# Altium PCB TEBF0808.PcbDoc (part 4 of 11) (continued)
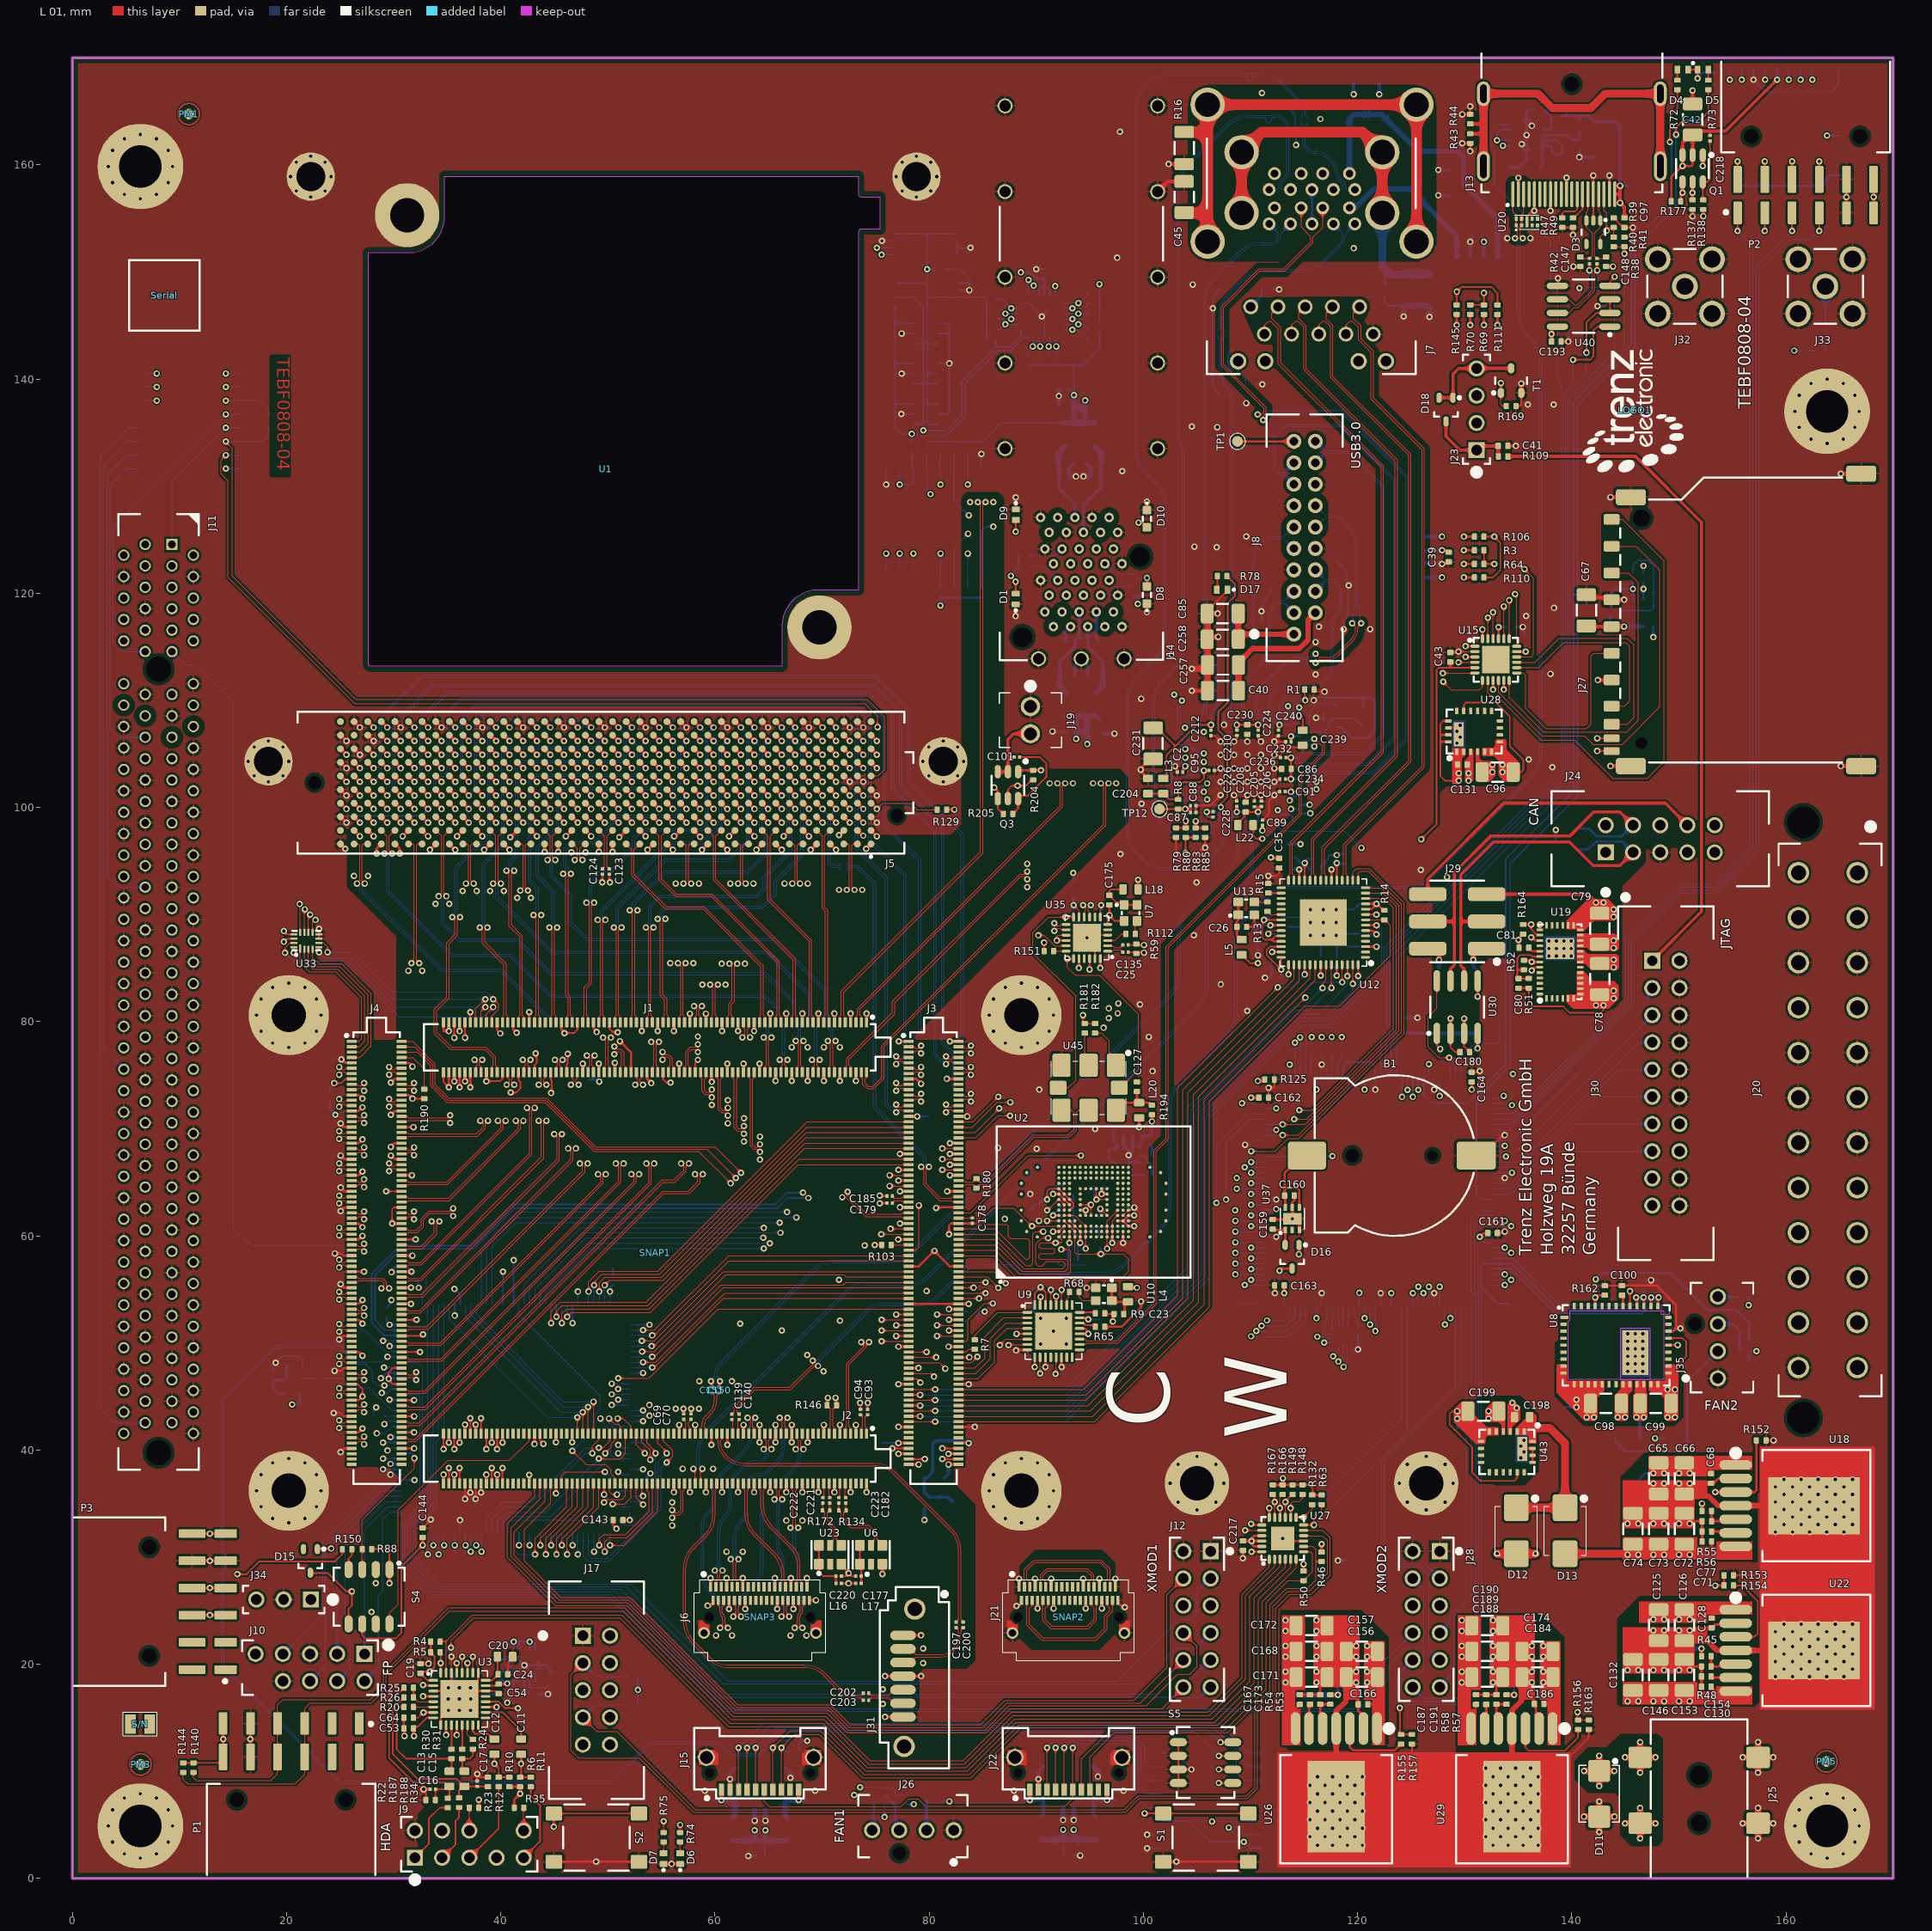
[diagram p0: L 01 view]
## Nets (pads, with @x,y where several pads share a name; then routed paths per layer and width w, separated by ;. In a path a pad name is that pad's centre, name@x,y a point inside that pad or via, vN(x,y) a via of type N, cw(c..) or ccw(c..) an arc to the next point about the centre after c; other vN are vias at no path point) (continued)
B64_L20_N: J4.48 J5.E22 | length 53.5
  L 01 w0.1: v1(29.578,66.763) 29.828,66.513 30.085,66.513 30.225,66.653 J4.48@30.74,66.653
  L 01 w0.2: J5.E22@47.896,101.665 v1(48.445,101.116)
  L 12 S w0.08: v1(29.578,66.763) 29.838,66.503 32.803,66.503 34.25,67.95 34.25,88.85 33,90.1 33,92.033 35.117,94.15 37.4,94.15 40.1,96.85 40.1,97.511 40.725,98.136 41.008,98.136 41.265,98.393 41.265,98.698 41.867,99.3 48.75,99.3 48.98,99.53 48.98,100.581 v1(48.445,101.116)
B64_L20_P: J4.50 J5.E21 | length 53.9
  L 01 w0.1: v1(29.578,66.043) 29.828,66.293 30.085,66.293 30.225,66.153 J4.50@30.74,66.153
  L 01 w0.2: J5.E21@49.166,101.665 v1(49.715,101.116)
  L 12 S w0.08: v1(29.578,66.043) 29.838,66.303 32.886,66.303 34.45,67.867 34.45,87.2 34.45,88.933 33.2,90.183 33.2,91.95 35.2,93.95 37.483,93.95 37.783,94.25 40.3,96.767 40.3,97.428 40.808,97.936 41.091,97.936 41.465,98.31 41.465,98.615 41.95,99.1 48.833,99.1 49.18,99.448 49.18,100.581 v1(49.715,101.116)
B64_L21_N: J4.44 J5.E24 | length 46.6
  L 01 w0.1: J4.44@30.74,67.653 31.255,67.653 31.395,67.793 31.652,67.793 v1(31.902,67.543)
  L 01 w0.2: J5.E24@45.356,101.665 v1(45.905,101.116)
  L 12 S w0.08: v1(31.902,67.543) 32.162,67.803 32.583,67.803 33.75,68.97 33.75,87.35 32.5,88.6 32.5,92.3 35.275,95.075 36.15,95.075 37.675,96.6 38.583,96.6 40.3,98.317 40.3,99.942 40.758,100.4 45.103,100.4 45.37,100.667 45.37,101 45.486,101.116 v1(45.905,101.116)
B64_L21_P: J4.42 J5.E25 | length 46.3
  L 01 w0.1: J4.42@30.74,68.153 31.255,68.153 31.395,68.013 31.652,68.013 v1(31.902,68.263)
  L 01 w0.2: J5.E25@44.086,101.665 v1(44.635,101.116)
  L 12 S w0.08: v1(31.902,68.263) 32.162,68.003 32.5,68.003 33.55,69.053 33.55,87.267 32.3,88.517 32.3,92.383 35.192,95.275 36.067,95.275 37.592,96.8 38.5,96.8 40.1,98.4 40.1,100.025 40.675,100.6 45.02,100.6 45.17,100.75 45.17,101 45.055,101.116 v1(44.635,101.116)
B64_L22_N: J4.20 J5.F22 | length 38.3
  L 01 w0.1: J4.20@30.74,73.653 31.255,73.653 31.395,73.793 31.652,73.793 v1(31.902,73.543)
  L 01 w0.2: J5.F22@47.896,102.935 v1(48.445,102.386)
  L 03 S w0.08: v1(31.902,73.543) 32.162,73.803 32.953,73.803 41.85,82.7 41.85,86.917 44.95,90.017 44.95,93.667 46.05,94.767 46.05,96.167 47.91,98.028 47.91,101.851 v1(48.445,102.386)
B64_L22_P: J4.18 J5.F23 | length 37.9
  L 01 w0.1: J4.18@30.74,74.153 31.255,74.153 31.395,74.013 31.652,74.013 v1(31.902,74.263)
  L 01 w0.2: J5.F23@46.626,102.935 v1(47.175,102.386)
  L 03 S w0.08: v1(31.902,74.263) 32.162,74.003 32.87,74.003 41.65,82.783 41.65,87 44.75,90.1 44.75,93.75 45.85,94.85 45.85,96.25 47.71,98.11 47.71,101.851 v1(47.175,102.386)
B64_L23_N: J4.26 J5.J25 | length 50.8
  L 01 w0.1: v1(29.578,72.043) 29.828,72.293 30.085,72.293 30.225,72.153 J4.26@30.74,72.153
  L 01 w0.2: J5.J25@44.086,106.745 v1(44.635,106.196)
  L 12 S w0.08: v1(29.578,72.043) 29.318,72.303 29.017,72.303 28.05,73.27 28.05,91.783 33.067,96.8 33.5,96.8 33.8,97.1 33.8,104.033 34.117,104.35 35.85,104.35 36.3,104.8 36.3,105.283 36.667,105.65 45,105.65 45.17,105.82 45.17,106.1 45.075,106.196 v1(44.635,106.196)
B64_L23_P: J4.24 J5.J24 | length 50.5
  L 01 w0.1: v1(29.578,72.763) 29.828,72.513 30.085,72.513 30.225,72.653 J4.24@30.74,72.653
  L 01 w0.2: J5.J24@45.356,106.745 v1(45.905,106.196)
  L 12 S w0.08: v1(29.578,72.763) 29.318,72.503 29.1,72.503 28.25,73.353 28.25,91.7 33.15,96.6 33.583,96.6 34,97.017 34,103.95 34.2,104.15 35.933,104.15 36.5,104.717 36.5,105.2 36.75,105.45 45.083,105.45 45.37,105.738 45.37,106.1 45.466,106.196 v1(45.905,106.196)
B64_L24_N: J4.12 J5.F26 | length 35.6
  L 01 w0.1: v1(29.578,75.763) 29.828,75.513 30.085,75.513 30.225,75.653 J4.12@30.74,75.653
  L 01 w0.2: J5.F26@42.816,102.935 v1(43.365,102.386)
  L 03 S w0.08: v1(29.578,75.763) 29.838,75.503 30.167,75.503 30.4,75.736 30.4,77.583 42.126,89.308 42.126,90.108 43.32,91.303 43.32,96.22 43.9,96.8 43.9,101.851 v1(43.365,102.386)
B64_L24_P: J4.14 J5.F25 | length 35.9
  L 01 w0.1: v1(29.578,75.043) 29.828,75.293 30.085,75.293 30.225,75.153 J4.14@30.74,75.153
  L 01 w0.2: J5.F25@44.086,102.935 v1(44.635,102.386)
  L 03 S w0.08: v1(29.578,75.043) 29.838,75.303 30.25,75.303 30.6,75.653 30.6,77.5 42.326,89.226 42.326,90.026 43.52,91.22 43.52,96.137 44.1,96.718 44.1,101.851 v1(44.635,102.386)
B64_T0: J4.8 R190.1 | length 4.4
  L 01 w0.1: J4.8@30.74,76.653 31.772,76.653 32.85,75.575 R190.1@32.85,73.695
B64_T1: J4.6 U32.10 | length 107.2
  L 01 w0.1: J4.6@30.74,77.153 32.206,77.153 33.475,75.884 33.475,73.984 34.984,72.475 44.125,72.475 48.71,67.89 58.46,67.89 v1(61.45,64.9)
  L 14 S w0.1: v1(61.45,64.9) 61.45,60.359 74.659,47.15 79.7,47.15 79.9,47.35 80.775,47.35 81.025,47.1 84.75,47.1 85.875,48.225 116.925,48.225 117.39,47.76 v1(118.69,47.76)
  L 16 w0.1: v1(118.69,47.76) 119.05,48.12 U32.10@119.05,49.85
B64_T2: J4.2 U32.12 | length 105.7
  L 01 w0.1: J4.2@30.74,78.153 31.772,78.153 33.875,76.05 33.875,74.15 35.15,72.875 44.291,72.875 48.876,68.29 60.04,68.29 v1(62.44,65.89)
  L 14 S w0.1: v1(62.44,65.89) 62.44,59.935 73.375,49 78.45,49 79.125,49.675 80.425,49.675 80.95,49.15 85.35,49.15 85.85,48.65 117.6,48.65 v1(117.7,48.75)
  L 16 w0.1: v1(117.7,48.75) 118.25,49.3 U32.12@118.25,49.85
B64_T3: J4.4 U32.11 | length 105.8
  L 01 w0.1: J4.4@30.74,77.653 31.989,77.653 33.675,75.967 33.675,74.067 35.067,72.675 44.208,72.675 48.793,68.09 59.25,68.09 v1(61.945,65.395)
  L 14 S w0.1: v1(61.945,65.395) 61.945,60.147 73.917,48.175 85.375,48.175 85.65,48.45 117.2,48.45 117.395,48.255 v1(118.195,48.255)
  L 16 w0.1: v1(118.195,48.255) 118.65,48.71 U32.11@118.65,49.85
B65_L1_N: J4.145 J5.G37 | length 69.7
  L 01 w0.1: v1(24.908,42.043) 25.158,42.293 25.415,42.293 25.555,42.153 J4.145@26.07,42.153
  L 01 w0.2: J5.G37@28.846,104.205 v1(29.395,103.656)
  L 05 S w0.08: v1(24.908,42.043) 24.648,42.303 24.214,42.303 22.1,44.417 22.1,74.833 25.4,78.133 25.4,93.833 27.4,95.833 27.4,100.233 27.767,100.6 29.7,100.6 29.93,100.83 29.93,103.121 v1(29.395,103.656)
B65_L1_P: J4.143 J5.G36 | length 69.4
  L 01 w0.1: v1(24.908,42.763) 25.158,42.513 25.415,42.513 25.555,42.653 J4.143@26.07,42.653
  L 01 w0.2: J5.G36@30.116,104.205 v1(30.665,103.656)
  L 05 S w0.08: v1(24.908,42.763) 24.648,42.503 24.297,42.503 22.3,44.5 22.3,74.75 25.6,78.05 25.6,93.75 27.6,95.75 27.6,100.15 27.85,100.4 29.783,100.4 30.13,100.748 30.13,103.121 v1(30.665,103.656)
B65_L2_N: J4.125 J5.H23 | length 70.5
  L 01 w0.1: J4.125@26.07,47.153 26.585,47.153 26.725,47.013 26.982,47.013 v1(27.232,47.263)
  L 01 w0.2: J5.H23@46.626,105.475 v1(47.175,104.926)
  L 05 S w0.08: v1(27.232,47.263) 27.492,47.003 27.82,47.003 28,47.183 28,56.801 32.7,61.501 32.7,63.55 34.35,65.2 34.35,75.233 45.9,86.783 45.9,91.983 48.35,94.433 48.35,96.493 48.98,97.123 48.98,100.056 48.636,100.4 48.117,100.4 47.71,100.807 47.71,104.391 v1(47.175,104.926)
B65_L2_P: J4.127 J5.H22 | length 70.9
  L 01 w0.1: J4.127@26.07,46.653 26.585,46.653 26.725,46.793 26.982,46.793 v1(27.232,46.543)
  L 01 w0.2: J5.H22@47.896,105.475 v1(48.445,104.926)
  L 05 S w0.08: v1(27.232,46.543) 27.492,46.803 27.903,46.803 28.2,47.1 28.2,56.718 32.9,61.418 32.9,63.467 34.55,65.117 34.55,75.15 46.1,86.7 46.1,91.9 48.55,94.35 48.55,96.41 49.18,97.04 49.18,100.138 48.719,100.6 48.2,100.6 47.91,100.89 47.91,104.391 v1(48.445,104.926)
B65_L3_N: J4.137 J5.H34 | length 70.8
  L 01 w0.1: J4.137@26.07,44.153 26.585,44.153 26.725,44.013 26.982,44.013 v1(27.232,44.263)
  L 01 w0.2: J5.H34@32.656,105.475 v1(33.205,104.926)
  L 03 S w0.08: v1(27.232,44.263) 26.972,44.003 25.13,44.003 22.5,46.633 22.5,76.367 25.25,79.117 28.048,81.915 28.048,89.165 32.67,93.788 32.67,104.391 v1(33.205,104.926)
B65_L3_P: J4.139 J5.H35 | length 71.1
  L 01 w0.1: J4.139@26.07,43.653 26.585,43.653 26.725,43.793 26.982,43.793 v1(27.232,43.543)
  L 01 w0.2: J5.H35@31.386,105.475 v1(31.935,104.926)
  L 03 S w0.08: v1(27.232,43.543) 26.972,43.803 25.047,43.803 22.3,46.55 22.3,76.45 22.45,76.6 27.848,81.998 27.848,89.248 32.47,93.87 32.47,104.391 v1(31.935,104.926)
B65_L4_N: J4.107 J5.G27 | length 64.5
  L 01 w0.1: v1(24.908,51.763) 25.158,51.513 25.415,51.513 25.555,51.653 J4.107@26.07,51.653
  L 01 w0.2: J5.G27@41.546,104.205 v1(42.095,103.656)
  L 03 S w0.08: v1(24.908,51.763) 24.648,51.503 24.35,51.503 23.8,52.053 23.8,75.85 30.15,82.2 30.15,88.9 34.75,93.5 37.316,93.5 40.35,96.534 40.35,100.15 40.6,100.4 41.133,100.4 41.56,100.828 41.56,103.121 v1(42.095,103.656)
B65_L4_P: J4.109 J5.G28 | length 64.9
  L 01 w0.1: v1(24.908,51.043) 25.158,51.293 25.415,51.293 25.555,51.153 J4.109@26.07,51.153
  L 01 w0.2: J5.G28@40.276,104.205 v1(40.825,103.656)
  L 03 S w0.08: v1(24.908,51.043) 24.648,51.303 24.267,51.303 23.6,51.97 23.6,75.933 29.95,82.283 29.95,88.983 34.667,93.7 37.233,93.7 40.15,96.617 40.15,100.233 40.517,100.6 41.05,100.6 41.36,100.91 41.36,103.121 v1(40.825,103.656)
B65_L5_N: J4.151 J5.H38 | length 74.5
  L 01 w0.1: J4.151@26.07,40.653 26.585,40.653 26.725,40.793 26.982,40.793 v1(27.232,40.543)
  L 01 w0.2: J5.H38@27.576,105.475 v1(28.125,104.926)
  L 05 S w0.08: v1(27.232,40.543) 26.972,40.803 24.639,40.803 21.5,43.942 21.5,75.033 24.65,78.183 24.65,94.35 26.15,95.85 26.15,102.783 26.517,103.15 28.4,103.15 28.66,103.41 28.66,104.391 v1(28.125,104.926)
B65_L5_P: J4.149 J5.H37 | length 74.2
  L 01 w0.1: J4.149@26.07,41.153 26.585,41.153 26.725,41.013 26.982,41.013 v1(27.232,41.263)
  L 01 w0.2: J5.H37@28.846,105.475 v1(29.395,104.926)
  L 05 S w0.08: v1(27.232,41.263) 26.972,41.003 24.722,41.003 21.7,44.025 21.7,74.95 24.85,78.1 24.85,94.267 26.35,95.767 26.35,102.7 26.6,102.95 28.483,102.95 28.86,103.328 28.86,104.391 v1(29.395,104.926)
B65_L6_N: J4.83 J5.D27 | length 53.6
  L 01 w0.1: v1(24.908,57.763) 25.158,57.513 25.415,57.513 25.555,57.653 J4.83@26.07,57.653
  L 01 w0.2: J5.D27@41.546,100.395 v1(42.095,99.846)
  L 03 S w0.08: v1(24.908,57.763) 25.168,57.503 25.47,57.503 25.699,57.732 25.699,74.499 25.699,75.832 37.15,87.283 37.15,90.233 38.3,91.383 38.3,93.6 39.283,94.583 40.033,94.583 41.36,95.91 41.36,98.993 41.667,99.3 42.5,99.3 42.63,99.43 42.63,99.7 42.485,99.846 v1(42.095,99.846)
B65_L6_P: J4.85 J5.D26 | length 53.9
  L 01 w0.1: v1(24.908,57.043) 25.158,57.293 25.415,57.293 25.555,57.153 J4.85@26.07,57.153
  L 01 w0.2: J5.D26@42.816,100.395 v1(43.365,99.846)
  L 03 S w0.08: v1(24.908,57.043) 25.168,57.303 25.553,57.303 25.899,57.649 25.899,75.749 37.35,87.2 37.35,90.15 38.5,91.3 38.5,93.517 39.366,94.383 40.116,94.383 41.56,95.828 41.56,98.91 41.75,99.1 42.583,99.1 42.83,99.348 42.83,99.7 42.976,99.846 v1(43.365,99.846)
B65_L7_N: J4.71 J5.D24 | length 54
  L 01 w0.1: v1(24.908,60.763) 25.158,60.513 25.415,60.513 25.555,60.653 J4.71@26.07,60.653
  L 01 w0.2: J5.D24@45.356,100.395 v1(45.905,99.846)
  L 05 S w0.08: v1(24.908,60.763) 25.168,60.503 25.503,60.503 25.8,60.8 25.8,62.125 26.625,62.95 29.85,62.95 32.95,66.05 32.95,79.233 34.817,81.1 41.95,88.233 41.95,89.933 43.709,91.691 43.709,93.109 43.32,93.497 43.32,96.42 44.95,98.05 46.2,98.05 46.44,98.29 46.44,99.311 v1(45.905,99.846)
B65_L7_P: J4.73 J5.D23 | length 54.3
  L 01 w0.1: v1(24.908,60.043) 25.158,60.293 25.415,60.293 25.555,60.153 J4.73@26.07,60.153
  L 01 w0.2: J5.D23@46.626,100.395 v1(47.175,99.846)
  L 05 S w0.08: v1(24.908,60.043) 25.168,60.303 25.586,60.303 26,60.717 26,62.042 26.708,62.75 29.933,62.75 30.033,62.85 33.15,65.967 33.15,79.15 42.15,88.15 42.15,89.85 43.909,91.609 43.909,93.191 43.52,93.58 43.52,96.337 45.033,97.85 46.283,97.85 46.64,98.208 46.64,99.311 v1(47.175,99.846)
B65_L8_N: J4.121 J5.G31 | length 65.4
  L 01 w0.1: v1(24.908,48.043) 25.158,48.293 25.415,48.293 25.555,48.153 J4.121@26.07,48.153
  L 01 w0.2: J5.G31@36.466,104.205 v1(37.015,103.656)
  L 03 S w0.08: v1(24.908,48.043) 24.648,48.303 24.217,48.303 22.95,49.57 22.95,76.183 28.85,82.083 28.85,88.933 34.567,94.65 35.208,94.65 37.55,96.992 37.55,103.121 v1(37.015,103.656)
B65_L8_P: J4.119 J5.G30 | length 65.1
  L 01 w0.1: v1(24.908,48.763) 25.158,48.513 25.415,48.513 25.555,48.653 J4.119@26.07,48.653
  L 01 w0.2: J5.G30@37.736,104.205 v1(38.285,103.656)
  L 03 S w0.08: v1(24.908,48.763) 24.648,48.503 24.3,48.503 23.15,49.653 23.15,76.1 29.05,82 29.05,88.85 34.65,94.45 35.291,94.45 37.75,96.909 37.75,103.121 v1(38.285,103.656)
B65_L9_N: J4.101 J5.G22 | length 62.4
  L 01 w0.1: J4.101@26.07,53.153 26.585,53.153 26.725,53.013 26.982,53.013 v1(27.232,53.263)
  L 01 w0.2: J5.G22@47.896,104.205 v1(48.445,103.656)
  L 03 S w0.08: v1(27.232,53.263) 27.492,53.003 27.803,53.003 28.15,53.35 28.15,62.083 30.7,64.633 30.7,70.958 43.35,83.608 43.35,84.333 46.25,87.233 46.25,92.5 48.35,94.6 48.35,96.493 48.98,97.123 48.98,103.121 v1(48.445,103.656)
B65_L9_P: J4.103 J5.G21 | length 62.8
  L 01 w0.1: J4.103@26.07,52.653 26.585,52.653 26.725,52.793 26.982,52.793 v1(27.232,52.543)
  L 01 w0.2: J5.G21@49.166,104.205 v1(49.715,103.656)
  L 03 S w0.08: v1(27.232,52.543) 27.492,52.803 27.886,52.803 28.35,53.267 28.35,62 30.9,64.55 30.9,70.875 43.55,83.525 43.55,84.25 46.45,87.15 46.45,92.417 48.55,94.517 48.55,96.41 49.18,97.04 49.18,103.121 v1(49.715,103.656)
B65_L10_N: J4.95 J5.C27 | length 54.2
  L 01 w0.1: v1(24.908,54.763) 25.158,54.513 25.415,54.513 25.555,54.653 J4.95@26.07,54.653
  L 01 w0.2: J5.C27@41.546,99.125 v1(42.095,98.576)
  L 03 S w0.08: v1(24.908,54.763) 25.168,54.503 25.52,54.503 26.3,55.283 26.3,74.25 26.3,74.983 40.8,89.483 40.8,92.783 42.63,94.613 42.63,98.041 v1(42.095,98.576)
B65_L10_P: J4.97 J5.C26 | length 54.5
  L 01 w0.1: v1(24.908,54.043) 25.158,54.293 25.415,54.293 25.555,54.153 J4.97@26.07,54.153
  L 01 w0.2: J5.C26@42.816,99.125 v1(43.365,98.576)
  L 03 S w0.08: v1(24.908,54.043) 25.168,54.303 25.603,54.303 26.5,55.2 26.5,74.9 41,89.4 41,92.7 42.83,94.53 42.83,98.041 v1(43.365,98.576)
B65_L11_N: J4.77 J5.K29 | length 67.9
  L 01 w0.1: J4.77@26.07,59.153 26.585,59.153 26.725,59.013 26.982,59.013 v1(27.232,59.263)
  L 01 w0.2: J5.K29@39.006,108.015 v1(39.555,107.466)
  L 12 S w0.08: v1(27.232,59.263) 26.972,59.003 26.497,59.003 26.025,59.475 26.025,60.65 24,62.675 24,76.817 24.85,77.667 24.85,93.917 27.6,96.667 27.6,105.149 27.901,105.45 34.833,105.45 35.2,105.817 35.2,107.85 35.95,108.6 39.8,108.6 40.09,108.31 40.09,108.001 v1(39.555,107.466)
B65_L11_P: J4.79 J5.K28 | length 68.9
  L 01 w0.1: J4.79@26.07,58.653 26.585,58.653 26.725,58.793 26.982,58.793 v1(27.232,58.543)
  L 01 w0.2: J5.K28@40.276,108.015 v1(40.825,107.466)
  L 12 S w0.08: v1(27.232,58.543) 26.972,58.803 26.414,58.803 25.825,59.392 25.825,60.567 23.8,62.592 23.8,76.9 24.65,77.75 24.65,94 27.4,96.75 27.4,105.232 27.818,105.65 34.75,105.65 35,105.9 35,107.933 35.867,108.8 39.883,108.8 40.29,108.392 40.29,108.001 v1(40.825,107.466)
B65_L12_N: J4.65 J5.C23 | length 49.7
  L 01 w0.1: J4.65@26.07,62.153 26.585,62.153 26.725,62.013 26.982,62.013 v1(27.232,62.263)
  L 01 w0.2: J5.C23@46.626,99.125 v1(47.175,98.576)
  L 05 S w0.08: v1(27.232,62.263) 27.492,62.003 30.003,62.003 33.6,65.6 33.6,78.85 43.6,88.85 43.6,88.95 44.35,89.7 44.35,93.3 45.9,94.85 45.9,96.453 46.247,96.8 46.9,96.8 47.71,97.61 47.71,98.45 47.585,98.576 v1(47.175,98.576)
B65_L12_P: J4.67 J5.C22 | length 50.1
  L 01 w0.1: J4.67@26.07,61.653 26.585,61.653 26.725,61.793 26.982,61.793 v1(27.232,61.543)
  L 01 w0.2: J5.C22@47.896,99.125 v1(48.445,98.576)
  L 05 S w0.08: v1(27.232,61.543) 27.492,61.803 30.086,61.803 33.8,65.517 33.8,78.767 43.8,88.767 43.8,88.8 44.55,89.55 44.55,93.217 46.1,94.767 46.1,96.37 46.33,96.6 46.983,96.6 47.91,97.528 47.91,98.45 48.036,98.576 v1(48.445,98.576)
B65_L13_N: J4.91 J5.D21 | length 58.7
  L 01 w0.1: J4.91@26.07,55.653 26.585,55.653 26.725,55.793 28.907,55.793 29.1,55.6 29.1,55.35 v1(28.85,55.1)
  L 01 w0.2: J5.D21@49.166,100.395 v1(49.715,99.846)
  L 03 S w0.08: v1(28.85,55.1) 29.11,55.36 29.11,61.993 32.7,65.583 32.7,66.725 37.8,71.825 37.8,74.683 38.267,75.15 38.75,75.15 44.55,80.95 44.55,84.233 47.161,86.844 47.161,92.494 49.69,95.023 49.69,97.023 50.25,97.583 50.25,99.311 v1(49.715,99.846)
B65_L13_P: J4.89 J5.D20 | length 59.2
  L 01 w0.1: J4.89@26.07,56.153 26.585,56.153 26.725,56.013 28.998,56.013 29.32,55.691 29.32,55.35 v1(29.57,55.1) v1@29.57,55.291
  L 01 w0.2: J5.D20@50.436,100.395 v1(50.985,99.846)
  L 03 S w0.08: v1(29.57,55.1) 29.31,55.36 29.31,61.91 32.9,65.5 32.9,66.642 38,71.742 38,74.6 38.35,74.95 38.833,74.95 44.75,80.867 44.75,84.15 47.361,86.761 47.361,92.411 49.89,94.94 49.89,96.94 50.45,97.5 50.45,99.311 v1(50.985,99.846)
B65_L15_N: J4.59 J5.G25 | length 54.6
  L 01 w0.1: v1(24.908,63.763) 25.158,63.513 25.415,63.513 25.555,63.653 J4.59@26.07,63.653
  L 01 w0.2: J5.G25@44.086,104.205 v1(44.635,103.656)
  L 05 S w0.08: v1(24.908,63.763) 25.168,63.503 29.353,63.503 31.05,65.2 31.05,78.533 34.25,81.733 40.805,88.288 40.805,92.905 42.65,94.75 42.65,98.874 43.076,99.3 44.9,99.3 45.17,99.57 45.17,103.121 v1(44.635,103.656)
B65_L15_P: J4.61 J5.G24 | length 55
  L 01 w0.1: v1(24.908,63.043) 25.158,63.293 25.415,63.293 25.555,63.153 J4.61@26.07,63.153
  L 01 w0.2: J5.G24@45.356,104.205 v1(45.905,103.656)
  L 05 S w0.08: v1(24.908,63.043) 25.168,63.303 29.436,63.303 31.25,65.117 31.25,78.45 41.005,88.205 41.005,92.823 42.85,94.667 42.85,98.791 43.159,99.1 44.983,99.1 45.37,99.488 45.37,103.121 v1(45.905,103.656)
B65_L16_N: J4.133 J5.G34 | length 66
  L 01 w0.1: v1(24.908,45.043) 25.158,45.293 25.415,45.293 25.555,45.153 J4.133@26.07,45.153
  L 01 w0.2: J5.G34@32.656,104.205 v1(33.205,103.656)
  L 05 S w0.08: v1(24.908,45.043) 24.648,45.303 24.314,45.303 23.8,45.817 23.8,72.933 27.125,76.258 27.125,88.475 34.05,95.4 34.05,97.367 33.74,97.677 33.74,103.121 v1(33.205,103.656)
B65_L16_P: J4.131 J5.G33 | length 65.6
  L 01 w0.1: v1(24.908,45.763) 25.158,45.513 25.415,45.513 25.555,45.653 J4.131@26.07,45.653
  L 01 w0.2: J5.G33@33.926,104.205 v1(34.475,103.656)
  L 05 S w0.08: v1(24.908,45.763) 24.648,45.503 24.397,45.503 24,45.9 24,72.85 27.325,76.175 27.325,88.392 34.25,95.317 34.25,97.45 33.94,97.76 33.94,103.121 v1(34.475,103.656)
B65_L17_N: J4.17 J5.H29 | length 40.4
  L 01 w0.1: J4.17@26.07,74.153 26.585,74.153 26.725,74.013 26.982,74.013 v1(27.232,74.263)
  L 01 w0.2: J5.H29@39.006,105.475 v1(39.555,104.926)
  L 05 S w0.08: v1(27.232,74.263) 27.492,74.003 27.795,74.003 28.8,75.008 28.8,87.833 35.017,94.05 37.35,94.05 40.09,96.79 40.09,104.391 v1(39.555,104.926)
B65_L17_P: J4.19 J5.H28 | length 40.7
  L 01 w0.1: J4.19@26.07,73.653 26.585,73.653 26.725,73.793 26.982,73.793 v1(27.232,73.543)
  L 01 w0.2: J5.H28@40.276,105.475 v1(40.825,104.926)
  L 05 S w0.08: v1(27.232,73.543) 27.492,73.803 27.878,73.803 29,74.925 29,87.75 35.1,93.85 37.433,93.85 40.29,96.708 40.29,104.391 v1(40.825,104.926)
B65_L18_N: J4.55 J5.H25 | length 52.6
  L 01 w0.1: J4.55@26.07,64.653 26.585,64.653 26.725,64.793 26.982,64.793 v1(27.232,64.543)
  L 01 w0.2: J5.H25@44.086,105.475 v1(44.635,104.926)
  L 05 S w0.08: v1(27.232,64.543) 27.492,64.803 29.736,64.803 30.6,65.667 30.6,78.834 34.1,82.334 34.1,85.917 38.5,90.317 38.5,93.55 39.95,95 40.883,95 41.56,95.678 41.56,100.1 41.86,100.4 43.683,100.4 44.1,100.818 44.1,104.391 v1(44.635,104.926)
B65_L18_P: J4.53 J5.H26 | length 52.3
  L 01 w0.1: J4.53@26.07,65.153 26.585,65.153 26.725,65.013 26.982,65.013 v1(27.232,65.263)
  L 01 w0.2: J5.H26@42.816,105.475 v1(43.365,104.926)
  L 05 S w0.08: v1(27.232,65.263) 27.492,65.003 29.653,65.003 30.4,65.75 30.4,78.917 33.9,82.417 33.9,86 37.15,89.25 38.3,90.4 38.3,93.633 39.867,95.2 40.8,95.2 41.36,95.76 41.36,100.183 41.778,100.6 43.6,100.6 43.9,100.9 43.9,104.391 v1(43.365,104.926)
B65_L19_N: J4.49 J5.H31 | length 47.2
  L 01 w0.1: v1(24.908,66.043) 25.158,66.293 25.415,66.293 25.555,66.153 J4.49@26.07,66.153
  L 01 w0.2: J5.H31@36.466,105.475 v1(37.015,104.926)
  L 05 S w0.08: v1(24.908,66.043) 25.168,66.303 25.653,66.303 26.15,66.8 26.15,74.05 28.15,76.05 28.15,87.95 34.9,94.7 36.183,94.7 36.7,95.217 36.7,97.75 36.48,97.97 36.48,104.391 v1(37.015,104.926)
B65_L19_P: J4.47 J5.H32 | length 46.9
  L 01 w0.1: v1(24.908,66.763) 25.158,66.513 25.415,66.513 25.555,66.653 J4.47@26.07,66.653
  L 01 w0.2: J5.H32@35.196,105.475 v1(35.745,104.926)
  L 05 S w0.08: v1(24.908,66.763) 25.168,66.503 25.57,66.503 25.95,66.883 25.95,74.133 27.95,76.133 27.95,88.033 34.817,94.9 36.1,94.9 36.5,95.3 36.5,97.667 36.28,97.887 36.28,104.391 v1(35.745,104.926)
B65_L20_N: J4.35 J5.F29 | length 45.6
  L 01 w0.1: v1(24.908,69.763) 25.158,69.513 25.415,69.513 25.555,69.653 J4.35@26.07,69.653
  L 01 w0.2: J5.F29@39.006,102.935 v1(39.555,102.386)
  L 14 S w0.08: v1(24.908,69.763) 25.168,69.503 26.203,69.503 26.575,69.875 27.85,69.875 28.7,70.725 28.7,89.883 34.267,95.45 36.017,95.45 36.9,96.333 36.9,97.583 37.317,98 39.8,98 40.09,98.29 40.09,101.851 v1(39.555,102.386)
B65_L20_P: J4.37 J5.F28 | length 45.9
  L 01 w0.1: v1(24.908,69.043) 25.158,69.293 25.415,69.293 25.555,69.153 J4.37@26.07,69.153
  L 01 w0.2: J5.F28@40.276,102.935 v1(40.825,102.386)
  L 14 S w0.08: v1(24.908,69.043) 25.168,69.303 26.286,69.303 26.658,69.675 27.933,69.675 28.9,70.642 28.9,89.8 34.35,95.25 36.1,95.25 37.1,96.25 37.1,97.5 37.4,97.8 39.883,97.8 40.29,98.208 40.29,101.851 v1(40.825,102.386)
B65_L21_N: J4.31 J5.J27 | length 47.9
  L 01 w0.1: J4.31@26.07,70.653 26.585,70.653 26.725,70.793 26.982,70.793 v1(27.232,70.543)
  L 01 w0.2: J5.J27@41.546,106.745 v1(42.095,106.196)
  L 14 S w0.08: v1(27.232,70.543) 27.492,70.803 27.833,70.803 28.1,71.07 28.1,90.3 32.55,94.75 32.55,96.086 33.014,96.55 34.133,96.55 35.2,97.617 35.2,98.9 35.4,99.1 38.6,99.1 39,99.5 39,102.8 39.1,102.9 41.183,102.9 41.56,103.278 41.56,105.661 v1(42.095,106.196)
B65_L21_P: J4.29 J5.J28 | length 47.5
  L 01 w0.1: J4.29@26.07,71.153 26.585,71.153 26.725,71.013 26.982,71.013 v1(27.232,71.263)
  L 01 w0.2: J5.J28@40.276,106.745 v1(40.825,106.196)
  L 14 S w0.08: v1(27.232,71.263) 27.492,71.003 27.75,71.003 27.9,71.153 27.9,90.383 32.35,94.833 32.35,96.169 32.931,96.75 34.05,96.75 35,97.7 35,98.983 35.317,99.3 38.517,99.3 38.8,99.583 38.8,102.883 39.017,103.1 41.1,103.1 41.36,103.36 41.36,105.661 v1(40.825,106.196)
B65_L22_N: J4.25 J5.J30 | length 44.3
  L 01 w0.1: v1(24.908,72.043) 25.158,72.293 25.415,72.293 25.555,72.153 J4.25@26.07,72.153
  L 01 w0.2: J5.J30@37.736,106.745 v1(38.285,106.196)
  L 14 S w0.08: v1(24.908,72.043) 25.168,72.303 25.585,72.303 26.6,73.318 26.6,90.334 31.5,95.234 31.5,96.4 32.9,97.8 33.583,97.8 34,98.217 34,100.179 34.221,100.4 37.333,100.4 37.75,100.817 37.75,105.661 v1(38.285,106.196)
B65_L22_P: J4.23 J5.J31 | length 43.9
  L 01 w0.1: v1(24.908,72.763) 25.158,72.513 25.415,72.513 25.555,72.653 J4.23@26.07,72.653
  L 01 w0.2: J5.J31@36.466,106.745 v1(37.015,106.196)
  L 14 S w0.08: v1(24.908,72.763) 25.168,72.503 25.502,72.503 26.4,73.4 26.4,90.417 31.3,95.317 31.3,96.483 31.8,96.983 32.817,98 33.5,98 33.8,98.3 33.8,100.262 34.138,100.6 37.25,100.6 37.55,100.9 37.55,105.661 v1(37.015,106.196)
B65_L23_N: J4.41 J5.E28 | length 45.7
  L 01 w0.1: J4.41@26.07,68.153 26.585,68.153 26.725,68.013 26.982,68.013 v1(27.232,68.263)
  L 01 w0.2: J5.E28@40.276,101.665 v1(40.825,101.116)
  L 14 S w0.08: v1(27.232,68.263) 27.492,68.003 27.9,68.003 30.417,70.52 30.417,79.733 29.65,80.5 29.65,89.6 34.85,94.8 36.267,94.8 36.967,95.5 41.1,95.5 41.36,95.76 41.36,100.581 v1(40.825,101.116)
B65_L23_P: J4.43 J5.E27 | length 46
  L 01 w0.1: J4.43@26.07,67.653 26.585,67.653 26.725,67.793 26.982,67.793 v1(27.232,67.543)
  L 01 w0.2: J5.E27@41.546,101.665 v1(42.095,101.116)
  L 14 S w0.08: v1(27.232,67.543) 27.492,67.803 27.983,67.803 30.617,70.437 30.617,79.816 29.85,80.583 29.85,89.517 34.933,94.6 36.35,94.6 37.05,95.3 41.183,95.3 41.56,95.678 41.56,100.581 v1(42.095,101.116)
B65_L24_N: J4.13 J5.K31 | length 44.7
  L 01 w0.1: v1(24.908,75.043) 25.158,75.293 25.415,75.293 25.555,75.153 J4.13@26.07,75.153
  L 01 w0.2: J5.K31@36.466,108.015 v1(37.015,107.466)
  L 14 S w0.08: v1(24.908,75.043) 25.168,75.303 25.488,75.303 25.8,75.615 25.8,77.255 25.6,77.455 25.6,95.05 27.6,97.05 27.6,101.35 27.9,101.65 36.083,101.65 36.48,102.048 36.48,106.931 v1(37.015,107.466)
B65_L24_P: J4.11 J5.K32 | length 44.4
  L 01 w0.1: v1(24.908,75.763) 25.158,75.513 25.415,75.513 25.555,75.653 J4.11@26.07,75.653
  L 01 w0.2: J5.K32@35.196,108.015 v1(35.745,107.466)
  L 14 S w0.08: v1(24.908,75.763) 25.168,75.503 25.405,75.503 25.6,75.698 25.6,77.172 25.4,77.372 25.4,95.133 27.4,97.133 27.4,101.433 27.45,101.483 27.817,101.85 36,101.85 36.28,102.13 36.28,106.931 v1(35.745,107.466)
B65_T0: J4.7 U33.4 | length 14.8
  L 01 w0.1: U33.4@22.45,86.775 22.45,86 23.05,85.4 25.123,85.4 27.9,82.623 27.9,77.7 26.853,76.653 J4.7@26.07,76.653
B65_T1: J4.5 U33.3 | length 14.3
  L 01 w0.1: U33.3@22.05,86.775 22.05,85.834 22.734,85.15 24.948,85.15 27.6,82.499 27.6,77.9 26.853,77.153 J4.5@26.07,77.153
B65_T2: J4.3 U33.2 | length 13.8
  L 01 w0.1: U33.2@21.65,86.775 21.65,85.669 22.419,84.9 24.774,84.9 27.3,82.374 27.3,78.175 26.778,77.653 J4.3@26.07,77.653
B65_T3: J4.1 U33.1 | length 13.3
  L 01 w0.1: U33.1@21.25,86.825 21.25,85.503 22.103,84.65 24.6,84.65 27,82.25 27,78.4 26.753,78.153 J4.1@26.07,78.153
B66_L1_N: J1.140 J5.K23 | length 49.7
  L 01 w0.1: v1(36.2,89.75) 35.95,89.5 35.95,88.05 35.17,87.27 35.17,82.209 34.02,81.059 34.02,78.991 35.411,77.6 38.6,77.6 39.515,76.685 39.515,75.923 39.655,75.783 J1.140@39.655,75.268
  L 01 w0.2: J5.K23@46.626,108.015 v1(47.175,107.466)
  L 16 w0.1: v1(36.2,89.75) 35.95,90 35.95,94.306 38.224,96.58 38.591,96.58 39.02,97.009 39.02,107.759 39.361,108.1 47.5,108.1 47.7,107.9 47.7,107.6 47.566,107.466 v1(47.175,107.466)
B66_L1_P: J1.142 J5.K22 | length 50.5
  L 01 w0.1: v1(35.48,89.75) 35.73,89.5 35.73,88.141 34.95,87.361 34.95,82.3 33.8,81.15 33.8,78.9 35.32,77.38 38.509,77.38 39.295,76.594 39.295,75.923 39.155,75.783 J1.142@39.155,75.268
  L 01 w0.2: J5.K22@47.896,108.015 v1(48.445,107.466)
  L 16 w0.1: v1(35.48,89.75) 35.73,90 35.73,94.397 38.133,96.8 38.5,96.8 38.8,97.1 38.8,107.85 39.27,108.32 47.591,108.32 47.92,107.991 47.92,107.58 48.034,107.466 v1(48.445,107.466)
B66_L2_N: J1.99 J5.J12 | length 33.9
  L 01 w0.1: J1.99@49.655,79.938 49.655,80.453 49.515,80.593 49.515,89.25 v1(49.765,89.5)
  L 01 w0.2: J5.J12@60.596,106.745 v1(61.145,106.196)
  L 16 w0.1: v1(49.765,89.5) 49.515,89.75 49.515,90.254 55.841,96.58 58.891,96.58 60.62,98.309 60.62,105.671 v1(61.145,106.196)
B66_L2_P: J1.101 J5.J13 | length 33.9
  L 01 w0.1: v1(49.045,89.5) 49.295,89.25 49.295,80.593 49.155,80.453 J1.101@49.155,79.938
  L 01 w0.2: J5.J13@59.326,106.745 v1(59.875,106.196)
  L 16 w0.1: v1(49.045,89.5) 49.295,89.75 49.295,90.345 55.75,96.8 58.8,96.8 60.4,98.4 60.4,105.671 v1(59.875,106.196)
B66_L3_N: J1.93 J5.K10 | length 37.3
  L 01 w0.1: J1.93@51.155,79.938 51.155,80.453 51.015,80.593 51.015,88.55 v1(51.265,88.8)
  L 01 w0.2: J5.K10@63.136,108.015 v1(63.685,107.466)
  L 16 w0.1: v1(51.265,88.8) 51.015,89.05 51.015,90.604 55.391,94.98 61.308,94.98 63.16,96.832 63.16,106.941 v1(63.685,107.466)
B66_L3_P: J1.95 J5.K11 | length 37.3
  L 01 w0.1: v1(50.545,88.8) 50.795,88.55 50.795,80.593 50.655,80.453 J1.95@50.655,79.938
  L 01 w0.2: J5.K11@61.866,108.015 v1(62.415,107.466)
  L 16 w0.1: v1(50.545,88.8) 50.795,89.05 50.795,90.695 55.3,95.2 61.217,95.2 62.94,96.923 62.94,106.941 v1(62.415,107.466)
B66_L4_N: J1.87 J5.J9 | length 37.3
  L 01 w0.1: J1.87@52.655,79.938 52.655,80.453 52.515,80.593 52.515,90.15 v1(52.765,90.4)
  L 01 w0.2: J5.J9@64.406,106.745 v1(64.955,106.196)
  L 16 w0.1: v1(52.765,90.4) 52.515,90.65 52.515,91.004 55.391,93.88 63.091,93.88 64.82,95.609 64.82,97.58 64.43,97.97 64.43,105.671 v1(64.955,106.196)
B66_L4_P: J1.89 J5.J10 | length 37.3
  L 01 w0.1: v1(52.045,90.4) 52.295,90.15 52.295,80.593 52.155,80.453 J1.89@52.155,79.938
  L 01 w0.2: J5.J10@63.136,106.745 v1(63.685,106.196)
  L 16 w0.1: v1(52.045,90.4) 52.295,90.65 52.295,91.095 55.3,94.1 63,94.1 64.6,95.7 64.6,97.489 64.21,97.878 64.21,105.671 v1(63.685,106.196)
B66_L5_N: J1.83 J5.K8 | length 39.6
  L 01 w0.1: v1(53.545,88.8) 53.795,88.55 53.795,80.593 53.655,80.453 J1.83@53.655,79.938
  L 01 w0.2: J5.K8@65.676,108.015 v1(66.225,107.466)
  L 16 w0.1: v1(53.545,88.8) 53.795,89.05 53.795,90.795 54.8,91.8 63.842,91.8 64.48,92.438 64.48,93.48 66.975,95.975 66.975,97.714 66.75,97.938 66.75,106.941 v1(66.225,107.466)
B66_L5_P: J1.81 J5.K7 | length 39.6
  L 01 w0.1: J1.81@54.155,79.938 54.155,80.453 54.015,80.593 54.015,88.55 v1(54.265,88.8)
  L 01 w0.2: J5.K7@66.946,108.015 v1(67.495,107.466)
  L 16 w0.1: v1(54.265,88.8) 54.015,89.05 54.015,90.704 54.891,91.58 63.933,91.58 64.7,92.347 64.7,93.389 67.195,95.884 67.195,97.805 66.97,98.03 66.97,106.941 v1(67.495,107.466)